# KiCad board chastity.kicad_pcb
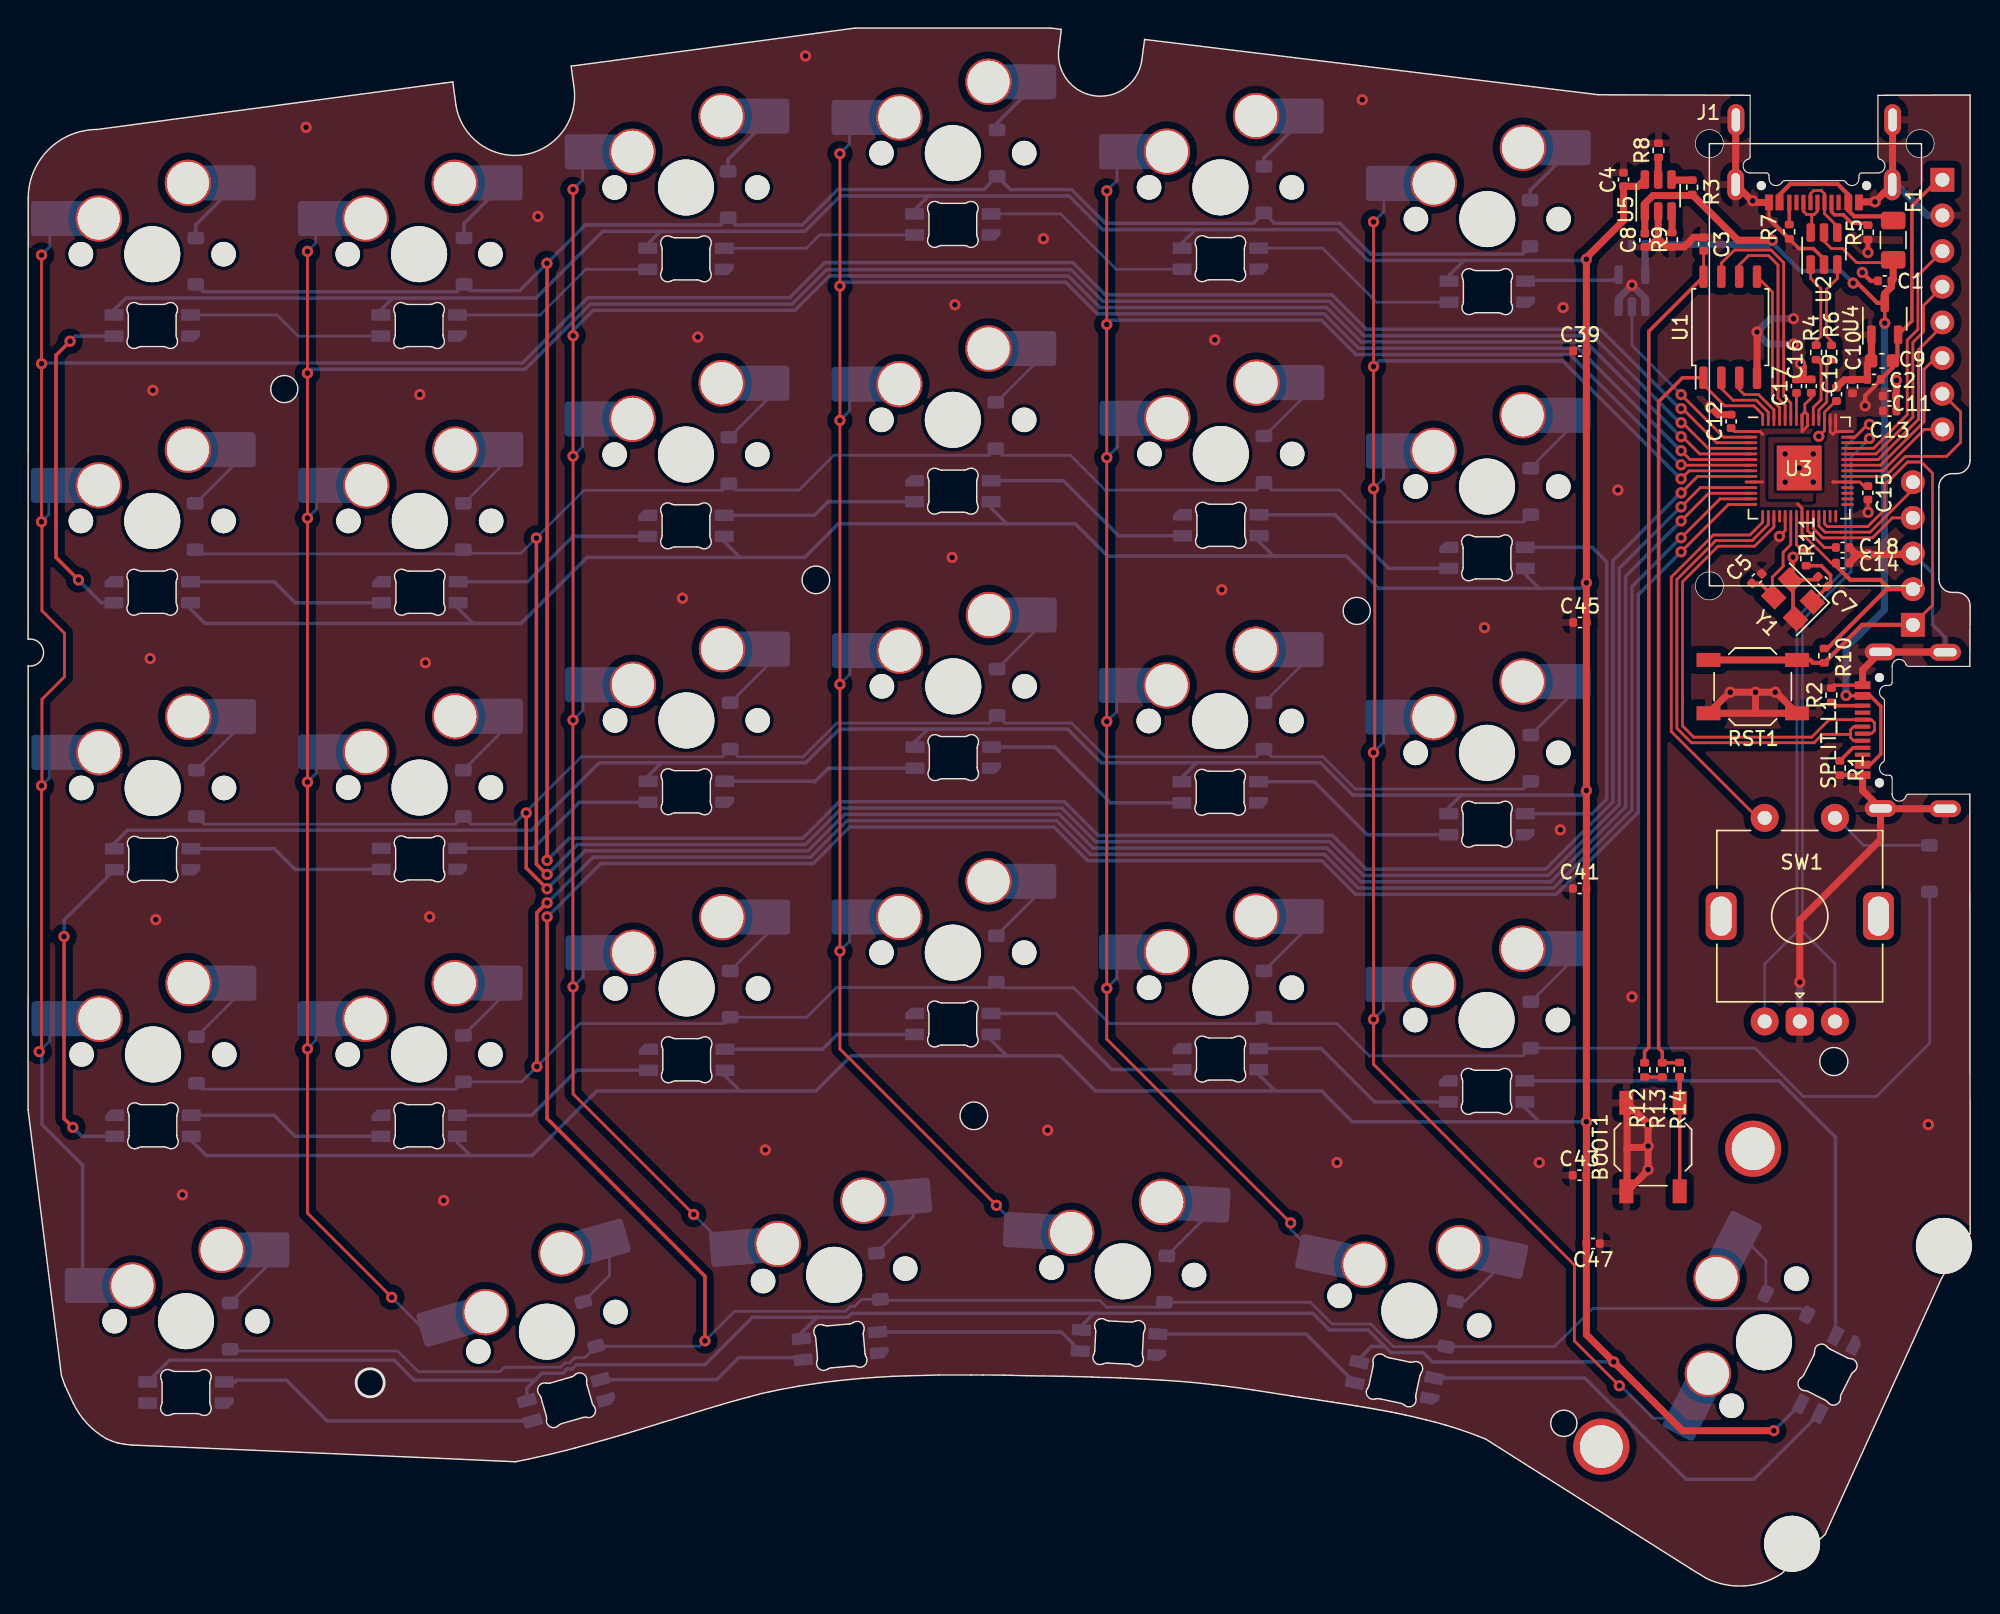
[diagram p0: board, top side]
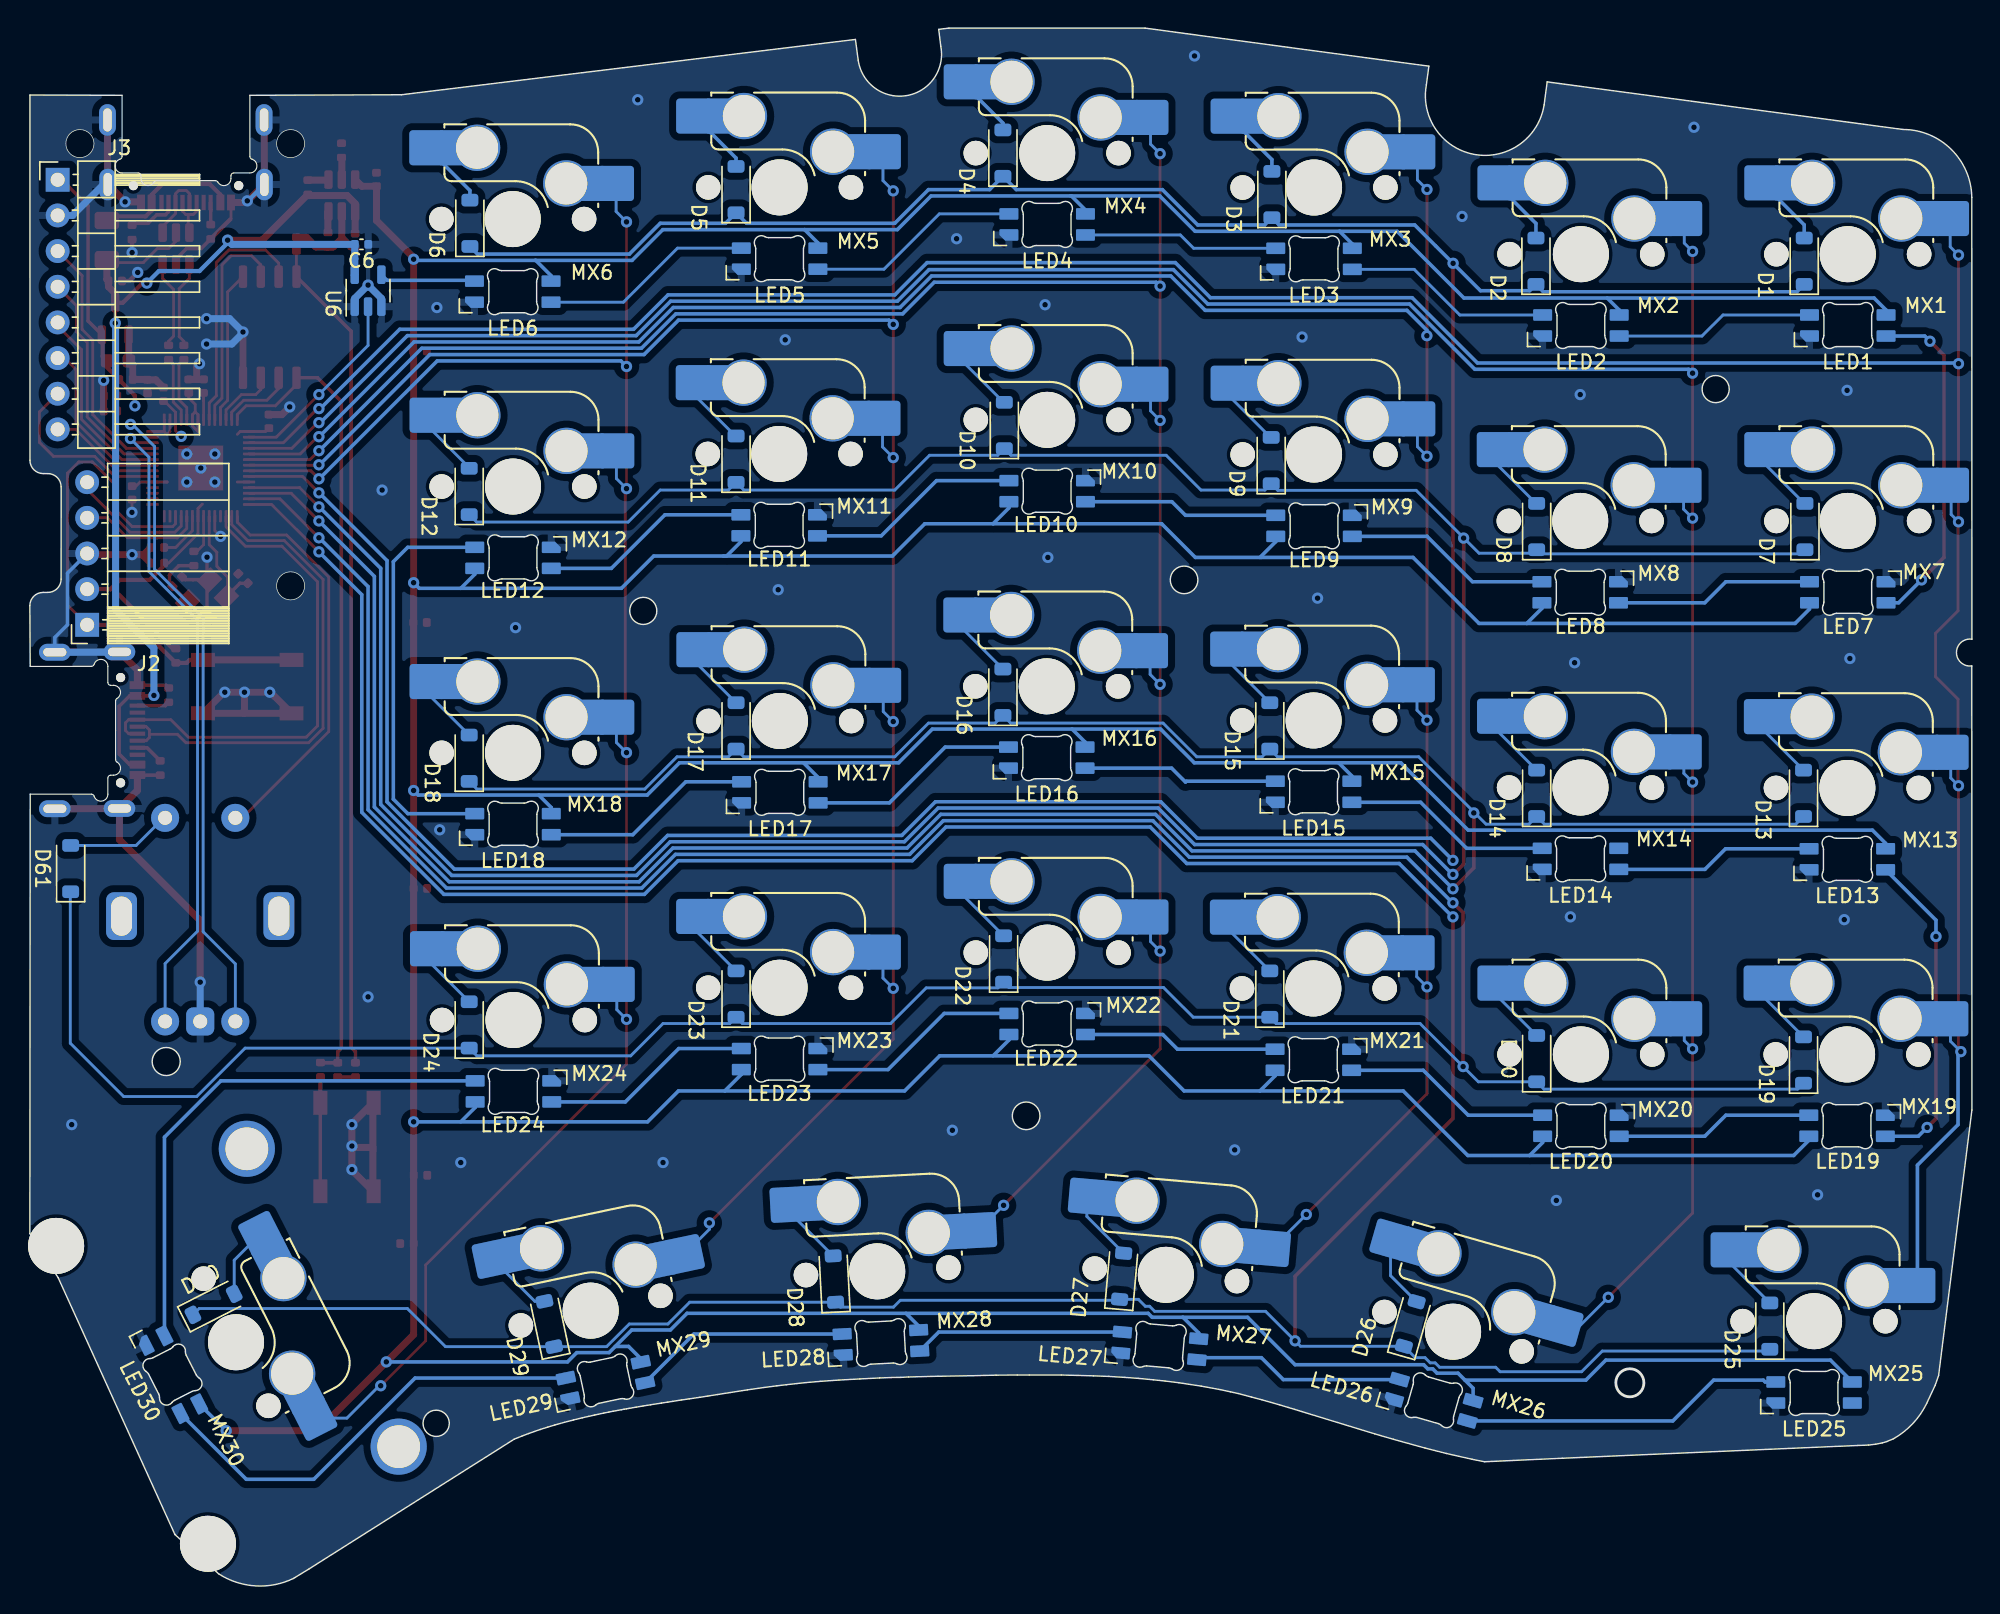
[diagram p1: board, bottom side, seen from below]

Outline 138.27 x 110.97 mm; copper layers: Top, Bottom. Coordinates in mm from the lower left corner of the outline.
Outline path: circle c18.24,85.26 r0.97 ; circle c24.35,14.48 r1 ; circle c56.09,71.67 r0.98 ; circle c67.33,33.49 r0.99 ; circle c94.59,69.46 r0.97 ; circle c109.34,11.59 r0.93 ; circle c128.56,37.36 r1 ; 38.84,106.93 arc(35.38,101.96) 30.46,105.49 30.24,107.14 4.91,103.75 arc(1.47,102.33) 0.01,98.91 0,67.44 arc(1.1,66.5) 0.01,65.54 0,33.91 2.37,15 2.61,14.31 3.22,13.02 arc(4.21,11.57) 5.58,10.49 6.06,10.29 6.39,10.19 6.85,10.1 7.36,10.04 8.13,10.01 29.15,9.1 34.69,8.85 35.59,9.03 37.41,9.44 38.94,9.83 41.18,10.45 42.52,10.84 45.17,11.65 48.21,12.58 48.68,12.72 49.31,12.91 49.91,13.08 50.54,13.26 51.29,13.46 52.23,13.71 52.78,13.83 53.52,13.99 54.88,14.24 56.47,14.48 57.44,14.6 58.28,14.69 59.36,14.79 60.31,14.86 61.46,14.93 62.54,14.97 64.84,15.03 67.97,15.03 69.47,15.02 71.12,14.98 73.63,14.94 75.71,14.89 76.25,14.86 76.95,14.85 77.77,14.82 79.18,14.75 80.66,14.67 81.96,14.58 83.01,14.49 83.67,14.42 84.39,14.34 85.08,14.26 86,14.14 87.19,13.97 88.41,13.78 89.3,13.64 89.99,13.53 90.58,13.44 91.33,13.33 91.89,13.25 92.51,13.15 92.84,13.1 93.3,13.03 94.07,12.91 94.62,12.82 95.1,12.74 95.56,12.66 95.68,12.64 95.79,12.62 95.97,12.59 96.14,12.56 96.4,12.51 96.74,12.45 97.04,12.39 97.4,12.32 97.81,12.23 98.05,12.18 98.5,12.08 98.94,11.98 99.55,11.83 100.21,11.66 100.89,11.47 101.39,11.32 101.93,11.15 102.76,10.86 103.23,10.68 103.78,10.46 118.4,1.21 119.49,0.55 arc(122.2,0.01) 124.82,0.87 127.94,3.67 136.25,21.96 138.27,25.11 138.24,56.41 ; 38.84,106.93 38.66,108.26 58.87,110.97 72.83,110.97 73.56,110.88 73.41,109.66 arc(75.84,106.16) 79.29,108.67 79.49,110.16 111.81,106.22 122.61,106.19 ; 131.71,106.19 138.26,106.2 138.26,80.18 arc(137.98,79.52) 137.32,79.24 136.98,79.24 arc(136.32,78.96) 136.04,78.29 136.04,71.72 arc(136.32,71.05) 136.99,70.78 137.33,70.78 arc(137.99,70.5) 138.27,69.83 138.24,65.51

## Placement (name value [footprint] x y rotation side)
BOOT1  SW_Push  [SW_SPST_TL3342]  115.69 31.27 90 top
C1  1u  [C_0402_1005Metric]  132.19 92.96 180 top
C2  1u  [C_0402_1005Metric]  131.42 85.95 180 top
C3  1u  [C_0402_1005Metric]  119.29 95.59 90 top
C4  100u  [C_0402_1005Metric]  113.59 100.19 270 top
C5  22p  [C_0402_1005Metric]  123.09 71.77 225 top
C6  100n  [C_0402_1005Metric]  114.66 95.57 0 bottom
C7  22p  [C_0402_1005Metric]  127.77 71.55 135 top
C8  100n  [C_0402_1005Metric]  115.11 95.86 270 top
C9  10u  [C_0603_1608Metric]  131.99 87.27 180 top
C10  1u  [C_0402_1005Metric]  129.89 85.44 90 top
C11  100n  [C_0402_1005Metric]  132.52 84.77 0 top
C12  100n  [C_0402_1005Metric]  121.25 82.96 90 top
C13  100n  [C_0402_1005Metric]  132.53 83.7 0 top
C14  100n  [C_0402_1005Metric]  129.19 72.87 0 top
C15  100n  [C_0402_1005Metric]  130.99 77.87 270 top
C16  100n  [C_0402_1005Metric]  126.96 85.47 90 top
C17  100n  [C_0402_1005Metric]  125.9 85.47 90 top
C18  100n  [C_0402_1005Metric]  129.19 73.97 0 top
C19  1u  [C_0402_1005Metric]  128.75 84.89 90 top
C39  100u  [C_0402_1005Metric]  110.49 87.97 0 top
C41  100u  [C_0402_1005Metric]  110.46 49.69 0 top
C43  100u  [C_0402_1005Metric]  110.45 29.26 0 top
C45  100u  [C_0402_1005Metric]  110.49 68.63 0 top
C47  100u  [C_0402_1005Metric]  111.42 24.4 180 top
D1  D_Small  [D_SOD-123]  11.94 94.37 90 bottom
D2  D_Small  [D_SOD-123]  31.04 94.37 90 bottom
D3  D_Small  [D_SOD-123]  49.84 99.12 90 bottom
D4  D_Small  [D_SOD-123]  68.99 102.07 90 bottom
D5  D_Small  [D_SOD-123]  87.99 99.47 90 bottom
D6  D_Small  [D_SOD-123]  106.94 97.07 90 bottom
D7  D_Small  [D_SOD-123]  11.89 75.47 90 bottom
D8  D_Small  [D_SOD-123]  30.99 75.47 90 bottom
D9  D_Small  [D_SOD-123]  49.89 80.17 90 bottom
D10  D_Small  [D_SOD-123]  68.89 82.67 90 bottom
D11  D_Small  [D_SOD-123]  87.99 80.27 90 bottom
D12  D_Small  [D_SOD-123]  106.99 77.97 90 bottom
D13  D_Small  [D_SOD-123]  11.99 56.47 90 bottom
D14  D_Small  [D_SOD-123]  30.99 56.47 90 bottom
D15  D_Small  [D_SOD-123]  49.99 61.27 90 bottom
D16  D_Small  [D_SOD-123]  68.99 63.67 90 bottom
D17  D_Small  [D_SOD-123]  87.99 61.27 90 bottom
D18  D_Small  [D_SOD-123]  106.99 58.97 90 bottom
D19  D_Small  [D_SOD-123]  11.99 37.47 90 bottom
D20  D_Small  [D_SOD-123]  30.99 37.57 90 bottom
D21  D_Small  [D_SOD-123]  49.99 42.17 90 bottom
D22  D_Small  [D_SOD-123]  68.94 44.67 90 bottom
D23  D_Small  [D_SOD-123]  87.99 42.17 90 bottom
D24  D_Small  [D_SOD-123]  106.99 39.97 90 bottom
D25  D_Small  [D_SOD-123]  14.39 18.52 90 bottom
D26  D_Small  [D_SOD-123]  39.99 18.67 106 bottom
D27  D_Small  [D_SOD-123]  60.54 22.07 95 bottom
D28  D_Small  [D_SOD-123]  80.99 21.87 87 bottom
D29  D_Small  [D_SOD-123]  101.29 18.67 78 bottom
D30  D_Small  [D_SOD-123]  125.19 20.07 153 bottom
D61  D_Small  [D_SOD-123]  135.36 51.1 90 bottom
F1  Fuse_Small  [Fuse_1206_3216Metric]  132.79 95.87 270 top
J1  USB_C_Receptacle_USB2.0  [USB_C_Receptacle_HRO_TYPE-C-31-M-14]  127.15 99.75 180 top
J2  Conn_01x05  [PinSocket_1x05_P2.54mm_Horizontal]  134.19 68.47 0 bottom
J3  Conn_01x08_Pin  [PinHeader_1x08_P2.54mm_Horizontal]  136.29 100.17 180 bottom
LED1  SK6803MINI-E  [LED_MX_6028R]  8.84 89.79 180 bottom
LED2  SK6803MINI-E  [LED_MX_6028R]  27.84 89.79 180 bottom
LED3  SK6803MINI-E  [LED_MX_6028R]  46.84 94.54 180 bottom
LED4  SK6803MINI-E  [LED_MX_6028R]  65.84 96.99 180 bottom
LED5  SK6803MINI-E  [LED_MX_6028R]  84.89 94.55 180 bottom
LED6  SK6803MINI-E  [LED_MX_6028R]  103.89 92.2 180 bottom
LED7  SK6803MINI-E  [LED_MX_6028R]  8.84 70.79 0 bottom
LED8  SK6803MINI-E  [LED_MX_6028R]  27.89 70.79 0 bottom
LED9  SK6803MINI-E  [LED_MX_6028R]  46.84 75.52 0 bottom
LED10  SK6803MINI-E  [LED_MX_6028R]  65.84 77.99 0 bottom
LED11  SK6803MINI-E  [LED_MX_6028R]  84.92 75.56 0 bottom
LED12  SK6803MINI-E  [LED_MX_6028R]  103.87 73.24 0 bottom
LED13  SK6803MINI-E  [LED_MX_6028R]  8.87 51.77 180 bottom
LED14  SK6803MINI-E  [LED_MX_6028R]  27.87 51.8 180 bottom
LED15  SK6803MINI-E  [LED_MX_6028R]  46.87 56.58 180 bottom
LED16  SK6803MINI-E  [LED_MX_6028R]  65.87 59.01 180 bottom
LED17  SK6803MINI-E  [LED_MX_6028R]  84.87 56.54 180 bottom
LED18  SK6803MINI-E  [LED_MX_6028R]  103.87 54.27 180 bottom
LED19  SK6803MINI-E  [LED_MX_6028R]  8.89 32.79 0 bottom
LED20  SK6803MINI-E  [LED_MX_6028R]  27.84 32.79 0 bottom
LED21  SK6803MINI-E  [LED_MX_6028R]  46.89 37.49 0 bottom
LED22  SK6803MINI-E  [LED_MX_6028R]  65.84 40.04 0 bottom
LED23  SK6803MINI-E  [LED_MX_6028R]  84.89 37.54 0 bottom
LED24  SK6803MINI-E  [LED_MX_6028R]  103.84 35.24 0 bottom
LED25  SK6803MINI-E  [LED_MX_6028R]  11.24 13.79 180 bottom
LED26  SK6803MINI-E  [LED_MX_6028R]  38.34 13.23 196 bottom
LED27  SK6803MINI-E  [LED_MX_6028R]  57.83 17.11 185 bottom
LED28  SK6803MINI-E  [LED_MX_6028R]  77.67 17.34 177 bottom
LED29  SK6803MINI-E  [LED_MX_6028R]  97.28 14.65 168 bottom
LED30  SK6803MINI-E  [LED_MX_6028R]  128.11 15.06 243 bottom
MX1  MX_SW_HS  [SW_MX_HS_1u]  8.84 94.87 180 bottom
MX2  MX_SW_HS  [SW_MX_HS_1u]  27.84 94.87 180 bottom
MX3  MX_SW_HS  [SW_MX_HS_1u]  46.84 99.62 180 bottom
MX4  MX_SW_HS  [SW_MX_HS_1u]  65.84 102.07 180 bottom
MX5  MX_SW_HS  [SW_MX_HS_1u]  84.89 99.63 180 bottom
MX6  MX_SW_HS  [SW_MX_HS_1u]  103.89 97.37 180 bottom
MX7  MX_SW_HS  [SW_MX_HS_1u]  8.84 75.87 180 bottom
MX8  MX_SW_HS  [SW_MX_HS_1u]  27.89 75.87 180 bottom
MX9  MX_SW_HS  [SW_MX_HS_1u]  46.84 80.6 180 bottom
MX10  MX_SW_HS  [SW_MX_HS_1u]  65.84 83.07 180 bottom
MX11  MX_SW_HS  [SW_MX_HS_1u]  84.92 80.64 180 bottom
MX12  MX_SW_HS  [SW_MX_HS_1u]  103.87 78.32 180 bottom
MX13  MX_SW_HS  [SW_MX_HS_1u]  8.87 56.85 180 bottom
MX14  MX_SW_HS  [SW_MX_HS_1u]  27.87 56.88 180 bottom
MX15  MX_SW_HS  [SW_MX_HS_1u]  46.87 61.66 180 bottom
MX16  MX_SW_HS  [SW_MX_HS_1u]  65.87 64.09 180 bottom
MX17  MX_SW_HS  [SW_MX_HS_1u]  84.87 61.62 180 bottom
MX18  MX_SW_HS  [SW_MX_HS_1u]  103.87 59.35 180 bottom
MX19  MX_SW_HS  [SW_MX_HS_1u]  8.89 37.87 180 bottom
MX20  MX_SW_HS  [SW_MX_HS_1u]  27.84 37.87 180 bottom
MX21  MX_SW_HS  [SW_MX_HS_1u]  46.89 42.57 180 bottom
MX22  MX_SW_HS  [SW_MX_HS_1u]  65.84 45.12 180 bottom
MX23  MX_SW_HS  [SW_MX_HS_1u]  84.89 42.62 180 bottom
MX24  MX_SW_HS  [SW_MX_HS_1u]  103.84 40.32 180 bottom
MX25  MX_SW_HS  [SW_MX_HS_1u]  11.24 18.87 180 bottom
MX26  MX_SW_HS  [SW_MX_HS_1u]  36.94 18.12 196 bottom
MX27  MX_SW_HS  [SW_MX_HS_1u]  57.39 22.17 185 bottom
MX28  MX_SW_HS  [SW_MX_HS_1u]  77.94 22.42 177 bottom
MX29  MX_SW_HS  [SW_MX_HS_1u]  98.34 19.62 168 bottom
MX30  MX_SW_HS  [SW_MX_HS_1u]  123.59 17.37 243 bottom
R1  5K1  [R_0402_1005Metric]  128.99 58.27 270 top
R2  5K1  [R_0402_1005Metric]  128.39 63.46 90 top
R3  5k1  [R_0402_1005Metric]  118.47 99.63 270 top
R4  27  [R_0402_1005Metric]  127.3 87.87 90 top
R5  5K1  [R_0402_1005Metric]  130.99 96.42 270 top
R6  27  [R_0402_1005Metric]  128.39 87.87 90 top
R7  5K1  [R_0402_1005Metric]  125.39 96.47 270 top
R8  75k  [R_0402_1005Metric]  116.08 102.26 90 top
R9  5k1  [R_0402_1005Metric]  117.04 95.9 270 top
R10  5K1  [R_0402_1005Metric]  127.88 66.27 90 top
R11  1k  [R_0402_1005Metric]  126.59 73.19 270 top
R12  5K1  [R_0402_1005Metric]  115.09 36.77 90 top
R13  5K1  [R_0402_1005Metric]  116.35 36.76 270 top
R14  1k  [R_0402_1005Metric]  117.58 36.78 270 top
RST1  SW_Push  [SW_SPST_TL3342]  122.79 64.07 0 top
S1  MX_stab  [STAB_MX_P_2u]  123.64 17.37 63 top
SPLIT_L1  USB-C-2.0  [USB_C_Receptacle_HRO_TYPE-C-31-M-14]  131.81 60.96 90 top
SW1  RotaryEncoder_Switch  [ROT_Alps_EC11E-Switch]  126.14 47.72 0 top
TFT1  ~  [TFT 1.47 waveshare]  119.25 71.24 90 top
U1  W25Q128JVS  [SOIC-8_5.23x5.23mm_P1.27mm]  121.19 89.67 90 top
U2  USBLC6-2SC6  [SOT-23-6]  127.86 95.27 90 top
U3  RP2040  [QFN-56-1EP_7x7mm_P0.4mm_EP3.2x3.2mm]  126.1 79.64 0 top
U4  XC6206PxxxMR  [SOT-23-3]  132.19 90.27 90 top
U5  TPS2553DBVR  [SOT-23-6]  116.06 99.05 90 top
U6  74AHC1G125  [SOT-23-5]  114.19 92.27 90 bottom
Y1  Crystal_GND24  [Crystal_SMD_3225-4Pin_3.2x2.5mm]  125.65 70.29 135 top

## Library data of the parts
BOOT1 RST1 = -: Description: Push button switch, generic, two pins
C1-C7 C9-C19 C39 C41 C43 C45 C47 = -: Description: Unpolarized capacitor, small symbol
C8 = -: Description: Unpolarized capacitor; LCSC: C1760
D1-D30 D61 = -: Description: Diode, small symbol; Sim.Device: D; Sim.Pins: 1=K 2=A
F1 = -: Description: Fuse, small symbol
J1 SPLIT_L1 = -: Description: USB 2.0-only Type-C Receptacle connector
J2 = -: Description: Generic connector, single row, 01x05, script generated (kicad-library-utils/schlib/autogen/connector/)
J3 = -: Description: Generic connector, single row, 01x08, script generated
LED1-LED30 = -: Description: Reverse mount adressable LED (WS2812 protocol); Field4: 1
MX1-MX30 = -: Description: Push button switch, normally open, two pins, 45° tilted
R1 R2 R4-R7 R10-R14 = -: Description: Resistor, small symbol
R3 R9 = -: Description: Resistor; LCSC: C27834
R8 = -: Description: Resistor; LCSC: C17819
S1 = -: Description: Cherry MX-style stabilizer
SW1 = -: Description: Rotary encoder, dual channel, incremental quadrate outputs, with switch
U1 = -: Description: 128Mb Serial Flash Memory, Standard/Dual/Quad SPI, SOIC-8
U2 = -: Description: Very low capacitance ESD protection diode, 2 data-line, SOT-23-6
U3 = -: Description: A microcontroller by Raspberry Pi
U4 = -: Description: Positive 60-250mA Low Dropout Regulator, Fixed Output, SOT-23
U5 = -: LCSC: C55266
U6 = -: Description: Single Buffer Gate Tri-State, Low-Voltage CMOS
Y1 = -: Description: Four pin crystal, GND on pins 2 and 4

## Footprints (pads in the part's own frame, mm; a bottom-side part is the same pattern mirrored in y, then rotated)
C_0402_1005Metric
  rrect 0.56x0.62 smd: 1(-0.48,0) 2(0.48,0)
C_0603_1608Metric
  rrect 0.9x0.95 smd: 1(-0.775,0) 2(0.775,0)
Crystal_SMD_3225-4Pin_3.2x2.5mm
  rect 1.4x1.2 smd: 1(-1.1,-0.85) 2(1.1,-0.85) 3(1.1,0.85) 4(-1.1,0.85)
D_SOD-123
  rrect 0.9x1.2 smd: 1(-1.65,0) 2(1.65,0)
Fuse_1206_3216Metric
  rrect 1.25x1.75 smd: 1(-1.4,0) 2(1.4,0)
LED_MX_6028R
  rrect 1.35x0.82 smd: 1(2.725,0.75) 2(2.725,-0.75) 3(-2.725,0.75) 4(-2.725,-0.75)
PinHeader_1x08_P2.54mm_Horizontal
  rect 1.7x1.7 hole 1: 1(0,0)
  oval 1.7x1.7 hole 1: 2(0,-2.54) 3(0,-5.08) 4(0,-7.62) 5(0,-10.16) 6(0,-12.7) 7(0,-15.24) 8(0,-17.78)
PinSocket_1x05_P2.54mm_Horizontal
  rect 1.7x1.7 hole 1: 1(0,0)
  oval 1.7x1.7 hole 1: 2(0,-2.54) 3(0,-5.08) 4(0,-7.62) 5(0,-10.16)
QFN-56-1EP_7x7mm_P0.4mm_EP3.2x3.2mm
  rrect 1.29x1.29 smd: (-0.8,0.8) (-0.8,-0.8) (0.8,0.8) (0.8,-0.8)
  rrect 0.875x0.2 smd: 1(-3.438,2.6) 2(-3.438,2.2) 3(-3.438,1.8) 4(-3.438,1.4) 5(-3.438,1) 6(-3.438,0.6) 7(-3.438,0.2) 8(-3.438,-0.2) 9(-3.438,-0.6) 10(-3.438,-1) 11(-3.438,-1.4) 12(-3.438,-1.8) 13(-3.438,-2.2) 14(-3.438,-2.6) 29(3.438,-2.6) 30(3.438,-2.2) 31(3.438,-1.8) 32(3.438,-1.4) 33(3.438,-1) 34(3.438,-0.6) 35(3.438,-0.2) 36(3.438,0.2) 37(3.438,0.6) 38(3.438,1) 39(3.438,1.4) 40(3.438,1.8) 41(3.438,2.2) 42(3.438,2.6)
  rrect 0.2x0.875 smd: 15(-2.6,-3.438) 16(-2.2,-3.438) 17(-1.8,-3.438) 18(-1.4,-3.438) 19(-1,-3.438) 20(-0.6,-3.438) 21(-0.2,-3.438) 22(0.2,-3.438) 23(0.6,-3.438) 24(1,-3.438) 25(1.4,-3.438) 26(1.8,-3.438) 27(2.2,-3.438) 28(2.6,-3.438) 43(2.6,3.438) 44(2.2,3.438) 45(1.8,3.438) 46(1.4,3.438) 47(1,3.438) 48(0.6,3.438) 49(0.2,3.438) 50(-0.2,3.438) 51(-0.6,3.438) 52(-1,3.438) 53(-1.4,3.438) 54(-1.8,3.438) 55(-2.2,3.438) 56(-2.6,3.438)
  rect 3.2x3.2 smd: 57(0,0)
R_0402_1005Metric
  rrect 0.54x0.64 smd: 1(-0.51,0) 2(0.51,0)
ROT_Alps_EC11E-Switch
  round 2 hole 1: A(-2.5,-7.5) B(2.5,-7.5) S1(2.5,7) S2(-2.5,7)
  rrect 2x2 hole 1: C(0,-7.5)
  rrect 2.2x3.4 hole 1.5x2.8: MP(-5.6,0) MP(5.6,0)
SOIC-8_5.23x5.23mm_P1.27mm
  rrect 1.6x0.6 smd: 1(-3.6,1.905) 2(-3.6,0.635) 3(-3.6,-0.635) 4(-3.6,-1.905) 5(3.6,-1.905) 6(3.6,-0.635) 7(3.6,0.635) 8(3.6,1.905)
SOT-23-3
  rrect 1.325x0.6 smd: 1(-1.137,0.95) 2(-1.137,-0.95) 3(1.137,0)
SOT-23-5
  rrect 1.325x0.6 smd: 1(-1.137,0.95) 2(-1.137,0) 3(-1.137,-0.95) 4(1.137,-0.95) 5(1.137,0.95)
SOT-23-6
  rrect 1.325x0.6 smd: 1(-1.137,0.95) 2(-1.137,0) 3(-1.137,-0.95) 4(1.137,-0.95) 5(1.137,0) 6(1.137,0.95)
STAB_MX_P_2u
  round 4 hole 3.048: (-11.906,6.985) (11.906,6.985)
  round 3.988 hole 3.988 unplated: (-11.906,-8.255) (11.906,-8.255)
SW_MX_HS_1u
  round 1.75 hole 1.75 unplated: (-5.08,0) (5.08,0)
  round 3.988 hole 3.988 unplated: (0,0)
  round 3.3 hole 3: 1(3.81,2.54) 2(-2.54,5.08)
  rect 1.65x2.5 smd: 1(5.635,2.54) 2(-4.34,5.08)
  rrect 2.55x2.5 smd: 1(7.36,2.54) 2(-6.09,5.08)
SW_SPST_TL3342
  rect 1.7x1 smd: 1(-3.15,1.9) 1(3.15,1.9) 2(-3.15,-1.9) 2(3.15,-1.9)
USB_C_Receptacle_HRO_TYPE-C-31-M-14
  round 0.65 hole 0.65 unplated: (-3.75,0) (3.75,0)
  rect 0.54x1.1 smd: A1(-3.2,1.2) A4(-2.45,1.2) A9(2.45,1.2) A12(3.2,1.2) B1(3.2,1.2) B4(2.45,1.2) B9(-2.45,1.2) B12(-3.2,1.2)
  rect 0.3x1.1 smd: A5(-1.25,1.2) A6(-0.25,1.2) A7(0.25,1.2) A8(1.25,1.2) B5(1.75,1.2) B6(0.75,1.2) B7(-0.75,1.2) B8(-1.75,1.2)
  oval 1.2x2.25 hole 0.6x1.65: S1(-5.595,-4.68) S1(-5.575,-0.08) S1(5.555,-4.68) S1(5.575,-0.08)
